# KiCad board geeks-ecu.kicad_pcb (continued)
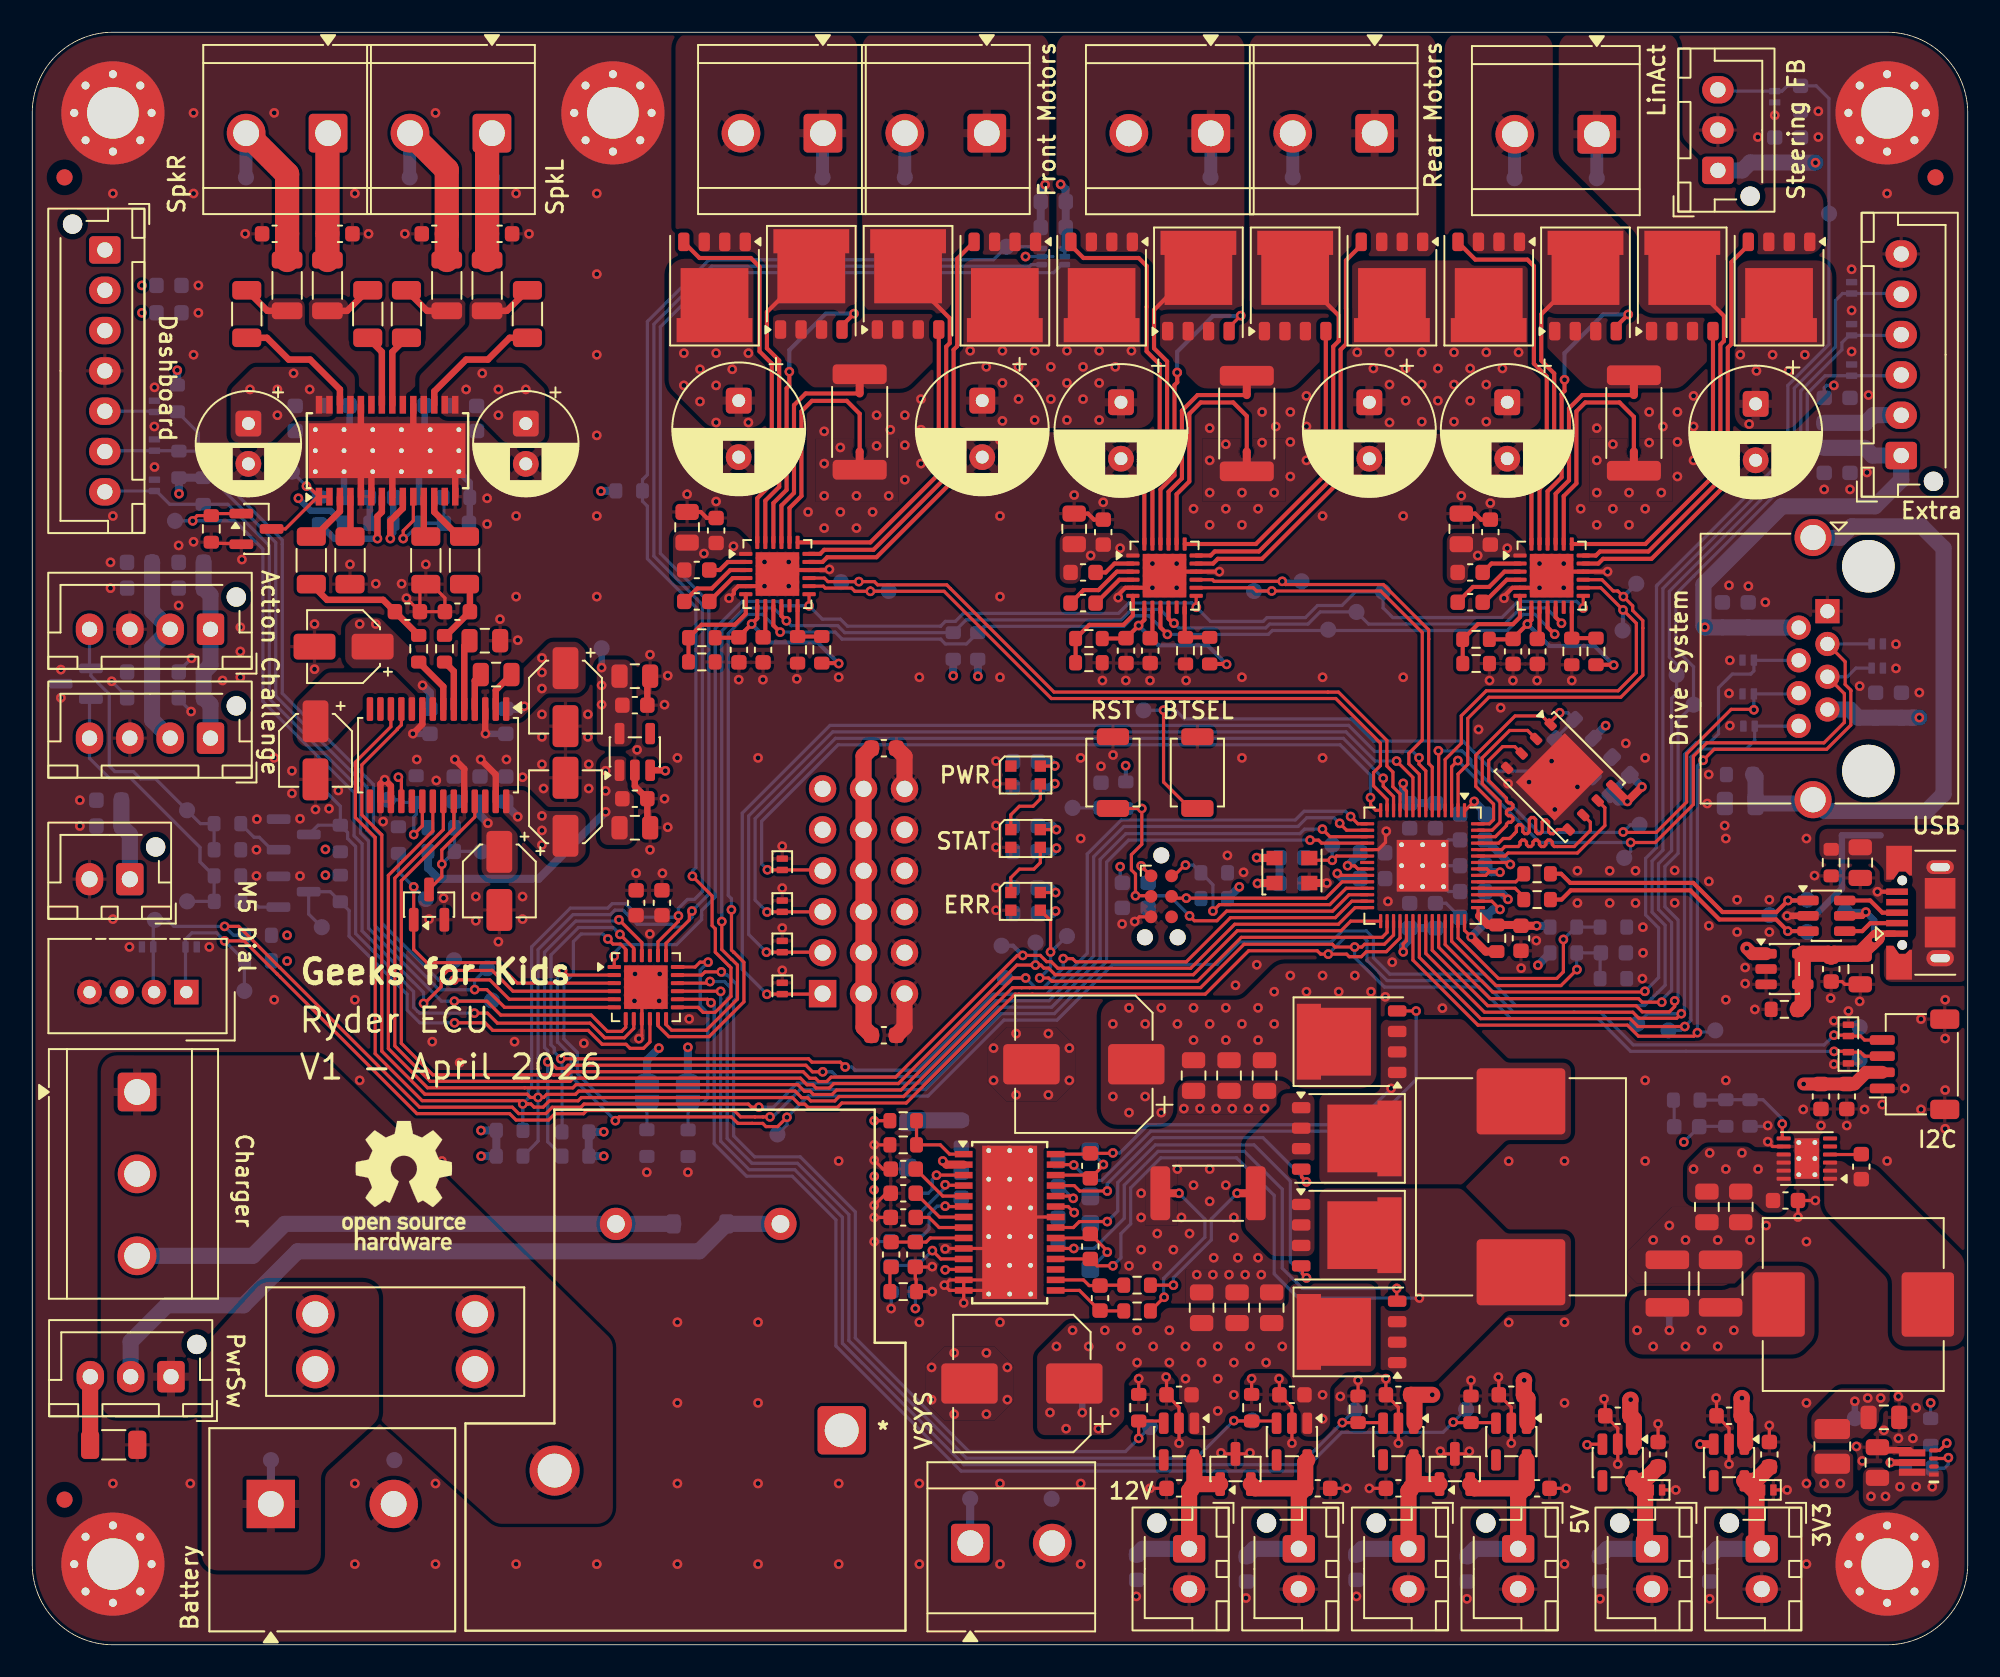
[diagram p0: board, top side]
## Routing (per net, layer and track width the routed paths; a pad name or vN(x,y) marks a point on that pad's centre or on a via; arc(x,y) is an arc through that point) (continued)
/DC Motor Controller - Steering/VCP: length 2.5
  Top w0.258: U801.2 90.48,67.05 C806.1
/DC Motor Controller - Steering/VREF: length 6.9
  Top w0.258: U801.6 92.24,63.73 91.8,63.29 89.63,63.29 R801.2 88.69,60.85
/DRIVE_ACTIVE_SW: length 46.5
  Top w0.2: v1(102.46,38.34) 99.55,38.34 99.06,38.83 89.8,38.83 86,42.63 U404.35
  Bottom w0.2: J507.8 109.5,56.97 D504.2 106.79,56.08 106.26,55.55 103.34,55.55 102.84,55.05 102.84,38.72 v1(102.46,38.34) 102.22,38.1 TP140.1
/DRIVE_PWM_STEERING: length 41.5
  Top w0.2: v1(88.39,54.83) 88,54.45 U404.3 ; J507.5 112.35,58.98 112.35,57.2 111.08,55.93 103.82,55.93 102.99,55.1 102.99,52.11 100.63,49.75 v1(99.1,49.75)
  Bottom w0.2: TP138.1 99.1,49.2 v1(99.1,49.75) 93.47,49.75 v1(88.39,54.83) ; D510.2 113.07,60.57 112.53,60.03 J507.5
/DRIVE_PWM_THROTTLE: length 35.5
  Top w0.2: v1(87.18,55.44) 87.18,55.44 87.18,55.29 87.2,55.28 U404.5 ; v1(106.74,57.98) 106.71,58.01 105.33,58.01 102.57,55.25 102.57,52.26 100.69,50.38 98.66,50.38 v1(98.63,50.4)
  Bottom w0.2: TP139.1 99.08,50.85 v1(98.63,50.4) 98.61,50.38 93.41,50.38 89.19,54.59 89.19,54.88 88.63,55.44 87.29,55.44 87.28,55.44 v1(87.18,55.44) ; J507.6 109.47,58.97 D507.2 v1(106.74,57.98)
/DRIVE_SOUND_A: length 58.7
  Top w0.2: J507.3 112.4,60.96 112.4,59.55 112.75,59.2 112.75,59.15 112.75,59.15 112.75,57.03 111.25,55.53 104.27,55.53 v1(103.59,54.85) ; U404.34 85.6,42.46 89.63,38.43 98.9,38.43 99.59,37.74 103.02,37.74 v1(103.24,37.96)
  Bottom w0.2: D515.2 111.3,62.07 J507.3 ; TP137.1 104.25,38 103.28,38 v1(103.24,37.96) 103.24,54.5 v1(103.59,54.85)
/DRIVE_SOUND_B: length 50.4
  Top w0.2: U404.36 86.4,42.87 90.04,39.23 99.23,39.23 99.61,38.85 101.96,38.85 102.23,39.13 102.23,39.14 v1(102.24,39.13)
  Bottom w0.2: J507.4 106.76,61.05 D513.2 106.74,60.39 106.55,60.2 105.4,60.2 104.55,59.35 104.55,56.5 104,55.95 103.17,55.95 102.44,55.22 102.44,39.33 v1(102.24,39.13) 100.13,39.13 TP136.1
/FRONT_MOTOR_DIR: length 45.8
  Top w0.2: U404.11 84.8,52.77 84.36,53.21 84.36,54.12 83.99,54.49 83.99,55.41 83.99,55.41 83.99,56.08 80.99,59.08 80.32,59.08 63.35,59.08 56.93,65.5 56.93,65.5 56.7,65.73 52.41,65.73 52.21,65.93 v1(51.25,65.93) 49.33,65.93 49.11,66.15 48.16,66.15
  Bottom w0.2: v1(51.25,65.93) 50.18,65.93 TP109.1
/FRONT_MOTOR_OUT_A: length 26.6
  Top w0.258: U601.18 48.85,67.65 49.1,67.9 52.15,67.9 56.66,72.42 56.66,80.5 56.89,80.72 56.89,82.26 54.86,84.29 Q604.5
  Bottom w0.8: TP149.1 J107.2
/FRONT_MOTOR_OUT_B: length 21.1
  Top w0.258: Q602.5 47.19,84.29 45.55,82.65 45.55,80.4 46.31,79.64 46.31,71.81 45.45,70.95 U601.23
  Bottom w0.4: 49,93.72 J108.1
  Bottom w0.8: TP150.1 49,93.72
/FRONT_MOTOR_PWM: length 46.1
  Top w0.2: 52.17,65.33 56.53,65.33 63.18,58.68 80.82,58.68 83.59,55.91 83.59,54.52 83.16,54.09 83.16,53.26 84,52.42 U404.13 84,52.1 ; 52.17,65.33 v1(51.96,65.33) ; 52.17,65.33 51.97,65.53 51.97,65.34 v1(51.96,65.33) ; U601.14 49.05,65.65 49.17,65.53 50.8,65.53 51,65.33 v1(51.96,65.33)
  Bottom w0.2: v1(51.96,65.33) 51.98,65.35 TP117.1
/GPIO_EXPANDER_SPARE: length 141.1
  Top w0.2: v1(46.79,32.71) 46.21,32.13 45.49,32.13 45.29,32.33 44.63,32.33 44.63,32.33 43.75,32.33 43.35,32.73 36.38,32.73 v1(36.15,32.5) ; v1(32.88,41.83) 33.18,41.53 U405.2
  Bottom w0.2: D518.2 115.82,83.8 J509.5 ; D518.2 112.24,83.8 111.8,83.36 111.8,80.48 109.25,77.93 109.25,73.65 101.1,65.5 101.1,49.27 100.43,48.6 100.43,45.43 101.24,44.62 101.24,40.9 100.78,40.45 99.97,39.64 91.99,39.64 90.04,41.59 84.16,41.59 83.15,42.6 83.15,43.84 82.72,44.27 81.22,44.27 80.54,43.59 74.85,43.59 73.45,42.19 66.99,42.19 63.53,38.74 60.24,38.74 55.54,34.03 48.11,34.03 v1(46.79,32.71) 46.79,32.24 TP121.1 ; D518.2 112.65,83.8 ; v1(36.15,32.5) 33.4,35.25 33.4,36.56 32.59,37.37 32.56,37.37 32.56,41.51 v1(32.88,41.83)
/H/L: length 59.5
  Top w0.2: U405.7 36.79,38.29 36.54,38.04 35.66,38.04 34.65,39.05 29.04,39.05 28.18,39.91 v1(26.17,39.91)
  Bottom w0.2: TP124.1 26.21,39.95 v1(26.17,39.91) 25.37,39.91 20.85,44.43 20.85,49.84 20.35,50.33 20.35,53.02 14.7,58.67 14.7,68.15 12.12,70.72 R425.2 8.53,70.72 7.7,71.55 D512.2 4.55,71.55 J505.7
/I2C_SCL: length 224.2
  Top w0.2: U405.20 38.79,43.59 40.06,44.86 v1(40.06,45.2) ; v1(111.7,37.8) 112.55,37.8 D404.2 113.35,37.75 113.6,37.5 J403.4 ; v1(30.41,33.54) 30.41,33.54 30.72,33.54 30.91,33.54 31.11,33.34 31.68,33.34 32.07,33.73 33.85,33.73 34.05,33.93 47.13,33.93 47.54,33.53 47.9,33.53 48.1,33.32 49.92,33.32 50.19,33.6 54.19,33.6 60.94,40.35 61.17,40.35 72.73,40.35 75.42,43.04 79.67,43.04 79.88,42.83 v1(80.35,42.83) 81.49,42.83 81.65,42.67 82.4,42.67 82.71,42.98 83.95,42.98 84.8,43.83 U404.32 ; v1(30.41,33.54) 30.21,33.74 24.18,33.74 21.26,36.66 21.26,50.07 20.03,51.3 20.03,54.73 22.24,56.94 22.24,58.03 ; v1(30.41,33.54) 30.52,33.65
  Bottom w0.2: U406.1 61.93,85.59 61.83,85.49 42.13,85.49 38.54,81.9 38.54,67.51 41.55,64.51 41.55,46.71 41.05,46.22 40.62,46.22 40.06,45.66 v1(40.06,45.2) 40.06,45.12 40.06,45.12 37.64,45.12 36.86,45.9 36.85,45.9 36.79,45.96 35.96,45.96 35.68,45.68 33.36,45.68 30.96,43.28 30.96,36.56 30.96,36.56 30.96,35.73 30.96,35.73 30.96,34.59 30.76,34.39 30.76,33.89 v1(30.41,33.54) ; v1(111.7,37.8) 111.1,37.2 99.26,37.2 97.23,39.24 95.61,39.24 95.61,39.24 91.82,39.24 89.87,41.19 84,41.19 82.75,42.44 82.75,43.67 82.55,43.87 81.39,43.87 v1(80.35,42.83) ; v1(30.41,33.54) 30.41,31.91 R413.2 ; v1(30.41,33.54) 30.43,33.53
  Bottom w0.203: v1(111.7,37.8) 112.8,37.8 TP107.1
/I2C_SDA: length 222.9
  Top w0.2: v1(111.71,36.8) 111.71,36.79 111.72,36.8 112.55,36.8 D405.2 113.35,36.75 113.6,36.5 J403.3 ; v1(40.9,45.5) 40.74,45.34 40.74,44.95 39.29,43.5 U405.19 ; U901.11 22.88,57.04 22.64,56.79 22.64,56.77 20.43,54.57 20.43,51.47 21.67,50.23 21.67,36.81 24.34,34.14 30.69,34.14 30.89,33.94 31.71,33.94 31.9,34.14 33.68,34.14 33.88,34.34 47.3,34.34 47.71,33.93 48.06,33.93 48.26,33.73 49.76,33.73 50.03,34 54.02,34 60.78,40.75 61.34,40.75 61.34,40.75 61.84,40.75 61.84,40.75 72.44,40.75 75.13,43.44 80.61,43.44 80.78,43.27 v1(81.99,43.27) 82.43,43.27 82.6,43.44 83.83,43.44 84.4,44.01 U404.31
  Bottom w0.2: v1(111.71,36.8) 102.53,36.8 99.1,36.8 97.06,38.84 91.65,38.84 89.7,40.79 83.83,40.79 81.99,42.63 v1(81.99,43.27) ; R414.2 31.36,31.24 v1(31.36,33.94) 31.36,35.89 31.36,35.9 31.36,36.39 31.36,36.39 31.36,43.11 33.53,45.28 35.85,45.28 36.12,45.56 36.62,45.56 36.68,45.5 36.69,45.5 37.51,44.68 39.65,44.68 39.81,44.52 40.31,44.52 40.9,45.11 v1(40.9,45.5) 41.95,46.55 41.95,64.67 38.94,67.68 38.94,81.73 42.3,85.09 63.33,85.09 63.83,85.59 U406.6
  Bottom w0.203: TP114.1 112.8,36.8 v1(111.71,36.8)
/IO Connectors/TRIG_IN1: length 18.2
  Bottom w0.2: TP501.1 11.28,46.1 R505.1 11.27,47.68 10.4,48.55 10.4,49.45 6.1,53.75 4.78,53.75 3.55,54.97 J501.4 3.55,58.56 D502.2
/IO Connectors/TRIG_IN2: length 18.6
  Bottom w0.2: R506.1 11.27,49.31 11.27,50.93 ; 11.27,50.93 10.43,50.93 TP502.1 7.65,53.7 6.72,53.7 6.27,54.15 5.13,54.15 4.78,54.5 4.78,58.95 3.64,60.09 D502.1 3.55,60.64 J502.4 ; 11.27,50.93 11.25,50.94
/Low Voltage Power Converters/BST_5V0: length 1.9
  Top w0.2: U301.4 113.38,30.4 C305.1
/Low Voltage Power Converters/FB_3V3: length 3.9
  Top w0.2: U302.3 118.75,11.55 v1(118.8,11.6)
  Bottom w0.2: R301.2 117.7,11.05 R302.1 118.55,10.95 118.8,11.2 v1(118.8,11.6)
/Low Voltage Power Converters/FB_5V0: length 6.8
  Top w0.2: v1(108.5,32.3) 108.5,31.49 U301.7
  Bottom w0.2: v1(108.5,32.3) 108.5,32.6 107.3,33.8 R304.1 R303.2 104.98,33.78 R305.1
/Low Voltage Power Converters/SW_3V3: length 6.1
  Top w0.4: U302.6 v1(115.2,11.3)
  In2.Cu w0.8: v1(115.2,11.3) 115.2,11.14 114.51,10.45 113.97,10.45 113.73,10.2 113.3,10.2 113.1,10 v1(112.1,10)
  In2.Cu w1: v1(111.1,10) v1(112.1,10)
/LS_A_CTRL: length 74.9
  Top w0.2: U202.3 90.71,13.78 R213.1 88.12,13.78 v1(88.1,13.8) ; v1(42.08,39.82) 41.87,40.03 U405.14
  Bottom w0.2: TP101.1 v1(88.1,13.8) 87.47,13.17 81.19,13.17 78.79,10.77 57.59,10.77 49.83,18.53 49.83,26.34 47.11,29.06 44.29,29.06 42.28,31.06 42.28,39.62 42.09,39.81 v1(42.08,39.82)
/LS_B_CTRL: length 68.1
  Top w0.2: v1(81.22,13.78) R214.1 83.71,13.78 U203.3 ; U405.15 42.5,40.53 42.51,40.52 v1(42.68,40.52)
  Bottom w0.2: TP103.1 v1(81.22,13.78) 78.62,11.17 57.76,11.17 50.23,18.7 50.23,26.51 47.28,29.46 44.45,29.46 42.68,31.23 42.68,39.57 42.68,39.57 42.68,40.06 42.68,40.07 42.68,40.35 42.68,40.35 v1(42.68,40.52)
/LS_C_CTRL: length 62
  Top w0.2: U405.16 41.92,41.03 v1(42.02,41.13) ; v1(74.5,13.9) 74.53,13.88 R215.1 77.01,13.88 U204.3
  Bottom w0.2: TP102.1 v1(74.5,13.9) 72.17,11.57 57.92,11.57 50.63,18.86 50.63,26.68 47.45,29.86 44.62,29.86 43.08,31.4 43.08,39.4 43.08,39.4 43.08,40.07 43.28,40.27 43.28,40.77 42.93,41.12 42.91,41.12 42.92,41.13 v1(42.02,41.13)
/LS_D_CTRL: length 55.8
  Top w0.2: U405.17 41.51,41.53 41.71,41.73 v1(42.72,41.73) ; U205.3 70.01,13.88 R216.1 v1(68.6,12.8)
  Bottom w0.2: v1(42.72,41.73) 42.89,41.73 42.69,41.53 43.09,41.53 43.1,41.52 43.68,40.94 43.68,40.1 43.48,39.91 43.48,39.23 43.48,31.56 44.78,30.26 47.61,30.26 51.03,26.84 51.03,19.03 58.08,11.98 67.78,11.98 v1(68.6,12.8) TP104.1
/M5_SCL: length 96.4
  Top w0.2: v1(45.74,32.73) 45.74,32.7 45.7,32.73 45.3,32.73 45.3,32.73 44.8,32.73 44.8,32.73 43.91,32.73 43.52,33.13 34.38,33.13 34.18,32.93 32.4,32.93 32.01,32.54 29.99,32.54 29.6,32.94 23.85,32.94 15.18,41.6 15.18,41.6 13.13,43.65 v1(11.93,43.65) ; U404.18 79.94,49.71 79.75,49.9 v1(79.22,49.9)
  Bottom w0.2: 13.18,42.4 v1(11.93,43.65) 11.43,44.15 9.9,44.15 9.5,43.75 D503.2 9.5,40.53 J503.1 ; TP130.1 13.15,42.39 R416.2 ; v1(45.74,32.73) 45.91,32.73 47.18,34 47.18,34.01 47.6,34.43 55.37,34.43 60.08,39.14 63.37,39.14 66.61,42.38 66.61,48.54 67.97,49.9 v1(79.22,49.9)
/M5_SDA: length 97.5
  Top w0.2: v1(79.99,50.58) 80.46,50.11 U404.17 ; v1(11.93,44.55) 12.8,44.55 15.15,42.2 15.15,42.2 15.35,42 15.35,42 24.01,33.34 29.76,33.34 30.16,32.94 31.84,32.94 32.24,33.33 34.01,33.33 34.21,33.53 44.4,33.53 44.6,33.33 v1(45.05,33.33)
  Bottom w0.2: v1(79.99,50.58) 78.88,50.58 78.6,50.3 67.8,50.3 66.21,48.71 66.21,42.55 63.2,39.54 59.91,39.54 55.2,34.83 47.43,34.83 46.78,34.18 46.78,34.17 45.95,33.33 v1(45.05,33.33) ; R415.2 12.48,44 v1(11.93,44.55) 8.78,44.55 8.38,44.95 TP129.1 7.5,44.85 D501.2 ; D501.2 7.55,43.22 ; D501.2 7.5,40.53 J503.2
/MCU/12MHz_OUT: length 4.7
  Top w0.2: 79.18,48.79 79.31,48.65 v1(80.6,48.65) 80.86,48.91 U404.20
  Bottom w0.2: v1(80.6,48.65) TP401.1
/MCU/ADC_AVDD: length 5.2
  Top w0.2: U404.43 89.64,45.26 89.7,45.2
  Top w0.5: 89.7,45.2 90.26,44.64 R410.1 92.25,44.64 C412.2 v1(93.27,44.59)
  Bottom w0.5: v1(93.27,44.59) 93.28,44.58 94.04,44.58 R411.1
/MCU/BATT_MON: length 14.7
  Top w0.2: U404.40 88,43.63 90.75,40.88 94.78,40.88 v1(95.77,41.87)
  Bottom w0.2: v1(95.77,41.87) 95.75,41.88 R418.2 C429.1 97.2,42.86 R419.1
/MCU/BOOTSEL: length 35.8
  Top w0.2: v1(70.14,57.96) 70.14,53.5 71.78,51.86 SW401.2
  Bottom w0.2: R401.2 94.75,54.18 90.57,54.18 88.71,56.04 83.16,56.04 81.78,57.41 71.43,57.41 70.88,57.96 v1(70.14,57.96) 70.13,57.95 TP404.1
/MCU/LED_DIN: length 29.7
  Top w0.2: U404.30 84,44.18 83.69,43.87 74.96,43.87 72.24,41.15 63.25,41.15 63.24,41.16 63.2,41.16 63.01,41.35 v1(62.46,41.35) ; D401.3 63.13,44.92 v1(63.13,42.96)
  Bottom w0.2: v1(62.46,41.35) 63.13,42.02 v1(63.13,42.96) 63.16,42.96 TP402.1
/MCU/LED_DIN1: length 4.1
  Top w0.2: D401.1 60.67,47.57 61.2,48.1 62.1,48.1 62.5,48.5 D402.3
/MCU/LED_DIN2: length 4.1
  Top w0.2: D402.1 60.67,51.47 61.2,52 62.05,52 62.5,52.45 D403.3
/MCU/QSPI_SCLK: length 10.1
  Top w0.2: U401.6 96.6,51.01 96.6,50.5 95.6,49.5 94.36,49.5 94.24,49.62 94.24,49.78 94.12,49.9 93.96,49.9 93.84,49.78 93.84,49.62 93.72,49.5 93.56,49.5 93.44,49.62 93.44,49.78 93.32,49.9 93.16,49.9 93.04,49.78 93.04,49.62 92.92,49.5 92.76,49.5 92.64,49.62 92.64,49.78 92.52,49.9 92.36,49.9 92.24,49.78 92.24,49.62 92.12,49.5 91.3,49.5 91.11,49.31 U404.52
/MCU/QSPI_SD0: length 9.9
  Top w0.2: U404.53 90.91,49.71 91.2,50 91.6,50 91.89,50.29 91.89,50.3 92.01,50.42 92.01,50.73 92.13,50.85 92.29,50.85 92.41,50.73 92.41,50.42 92.53,50.3 92.69,50.3 92.81,50.42 92.81,51.18 92.93,51.3 93.09,51.3 93.21,51.18 93.21,50.42 93.33,50.3 93.49,50.3 93.61,50.42 93.61,51.03 93.73,51.15 93.89,51.15 94.01,51.03 94.01,50.42 94.13,50.3 94.3,50.3 94.3,50.3 94.56,50.56 U401.5
/MCU/QSPI_SD1: length 10.3
  Top w0.2: U401.2 92.71,56.7 91.6,56.7 89.9,55 89.9,53.4 91,52.3 91,51 90.51,50.51 U404.55
/MCU/QSPI_SD2: length 10.2
  Top w0.2: U404.54 90.71,50.11 91.4,50.8 91.4,50.89 91.52,51.01 91.68,51.01 91.8,51.13 91.8,51.29 91.68,51.41 91.52,51.41 91.4,51.53 91.4,51.69 91.52,51.81 91.68,51.81 91.8,51.93 91.8,52.09 91.68,52.21 91.52,52.21 91.4,52.33 91.4,52.5 90.3,53.6 90.3,54.83 91.17,55.7 91.91,55.7 U401.3
/MCU/QSPI_SD3: length 10.4
  Top w0.2: U404.51 91.31,48.91 91.5,49.1 95.8,49.1 97.5,50.8 97.5,51.91 U401.7
/MCU/REVISION: length 13.4
  Top w0.2: v1(94.93,43.74) 94.93,41.73 94.52,41.32 90.9,41.32 88.4,43.82 U404.41
  Bottom w0.2: R412.1 R411.2 95.7,44.51 v1(94.93,43.74)
/MCU/SWCLK: length 13.5
  Top w0.2: U404.24 81.21,47.31 80.2,46.3 v1(71.55,46.3) 70.75,46.3 J402.4
  Bottom w0.2: R405.2 72.43,46.3 v1(71.55,46.3)
/MCU/SWDIO: length 15.1
  Top w0.2: v1(73.2,45.5) 73.6,45.9 80.45,45.9 81.46,46.91 U404.25 ; J402.2 70.78,47.68 71.45,48.35 v1(71.5,48.35)
  Bottom w0.2: v1(71.5,48.35) 71.98,48.35 R407.1 73.2,47.13 v1(73.2,45.5)
/MCU/USB_CONN_D+: length 3.6
  Top w0.258: U402.6 113.95,46.16 114.71,45.4 115.62,45.4
/MCU/USB_CONN_D-: length 3.4
  Top w0.258: 115.62,44.75 113.96,44.75 113.46,44.25 U402.4
/MCU/USB_CONN_VBUS: length 15.5
  Top w0.4: v1(113.68,45.44) 113.45,45.21 U402.5 ; 115.44,44.1 114.6,44.1 114,43.5
  Top w1: 114,43.5 114.35,43.85 114.33,43.85 C409.2 111.71,42.85 C410.1 111.36,42.85 U403.5 U403.4 109.77,39.72 R406.1
  Bottom w0.4: TP407.1 112.41,45.44 v1(113.68,45.44) 114.2,44.92 v1(114.2,43.7)
/MCU/USB_D+: length 18.5
  Top w0.2: 109,46.16 108.95,46.16
  Top w0.258: R408.2 94.79,47.81 95.35,47.25 102.98,47.25 104.79,45.44 108.14,45.44 v1(108.86,46.16) U402.1
  Bottom w0.258: TP405.1 110,46.16 v1(108.86,46.16)
/MCU/USB_D-: length 18.5
  Top w0.2: v1(108.85,44.25) 108.82,44.28
  Top w0.258: R409.2 94.81,46.21 95.39,46.79 102.79,46.79 104.6,44.98 108.12,44.98 108.82,44.28 ; v1(108.85,44.25) U402.3
  Bottom w0.258: v1(108.85,44.25) 110,44.25 TP406.1
/MCU/USB_RP2040_D+: length 3
  Top w0.2: U404.47 91.98,47.31 R408.1
/MCU/USB_RP2040_D-: length 3.2
  Top w0.2: R409.1 92.48,46.38 91.94,46.91 U404.46
/MCU/~{GPIO_EXPANDER_INT}: length 83.3
  Top w0.2: v1(49.01,35.53) 48.37,35.53 47.96,35.94 33.22,35.94 33.02,35.74 32.52,35.74 32.17,36.09 32.17,36.14 v1(31.96,36.14) ; U405.22 37.79,43.54 36.38,44.96 v1(36.37,44.96) ; v1(81.06,50.94) 81.49,50.51 U404.16
  Bottom w0.2: v1(36.37,44.96) 36.29,44.88 33.69,44.88 31.76,42.95 31.76,37.04 31.96,36.84 v1(31.96,36.14) 31.96,31.19 R417.2 ; v1(49.01,35.53) 49.58,35.53 49.88,35.23 55.04,35.23 59.74,39.94 63.04,39.94 65.81,42.71 65.81,48.87 67.68,50.75 78.48,50.75 79.02,51.29 80.71,51.29 v1(81.06,50.94)
/MCU/~{GPIO_EXPANDER_RST}: length 79
  Top w0.2: v1(36.44,44.06) 37.29,43.2 U405.23 ; v1(81.74,51.36) 82.19,50.91 U404.15 ; v1(50.4,35.83) 50.1,36.13 48.34,36.13 48.13,36.34 v1(32.77,36.34)
  Bottom w0.2: v1(50.4,35.83) 50.82,35.83 51.02,35.63 54.87,35.63 59.58,40.34 62.87,40.34 65.41,42.88 65.41,49.04 67.52,51.15 78.31,51.15 78.85,51.69 81.41,51.69 v1(81.74,51.36) ; R421.2 32.85,36.26 v1(32.77,36.34) 32.36,36.75 32.36,37.01 32.16,37.21 32.16,42.78 33.86,44.48 36.01,44.48 36.21,44.28 36.21,44.28 v1(36.44,44.06)
/MCU/~{QSPI_SS}: length 15.1
  Top w0.2: v1(94.7,57.8) 94.14,57.24 U401.1 93.61,57.6 91.93,57.6 89.5,55.17 89.5,53.23 90.6,52.13 90.6,51.17 90.35,50.91 U404.56
  Bottom w0.2: R401.1 R403.2 95.2,57.8 v1(94.7,57.8)
/MCU/~{RESET}: length 28.5
  Top w0.2: U404.26 81.64,46.51 80.62,45.5 74.05,45.5 73.45,44.9 72.05,44.9 v1(71.75,45.2) ; SW402.2 68.79,51.86 v1(68.79,51.86) 68.79,49.64 68.15,49 68.15,48.05 68.4,47.8 v1(68.4,46.45) 69.33,46.45 J402.3
  Bottom w0.2: C408.1 66.25,51.9 TP403.1 ; v1(71.75,45.2) 70.5,46.45 v1(68.4,46.45)
  Bottom w0.258: C408.1 66.31,51.86 R404.2 68.79,51.86 v1(68.79,51.86)
/MCU/~{TEMP_ALRT}: length 74.7
  Top w0.2: U405.13 41.28,39.53 41.6,39.21 42.33,39.21 43.32,40.21 43.32,41.99 43.21,42.1 43.2,42.1 42.35,42.95 42.35,44.4 42.15,44.6 42.15,46.44 v1(40.93,47.66)
  Bottom w0.2: U406.3 62.01,86.59 61.9,86.7 TP409.1 59.59,85.89 41.97,85.89 38.14,82.06 38.14,72.56 37.84,72.25 37.84,70.92 38.14,70.61 38.14,67.35 41.15,64.34 41.15,48.19 40.93,47.98 v1(40.93,47.66)
/REAR_MOTOR_DIR: length 28.2
  Top w0.2: U701.15 73.17,66.05 73.27,65.95 v1(77.5,65.95) 77.7,65.75 83.77,65.75 86.58,62.94 86.58,62.37 86.58,62.37 86.58,54.65 86.8,54.43 U404.6
  Bottom w0.2: v1(77.5,65.95) TP111.1
/REAR_MOTOR_OUT_A: length 26.8
  Top w0.258: U701.18 73.06,67.55 73.31,67.8 76.05,67.8 80.66,72.41 80.66,80.51 81,80.85 81,82.43 79.24,84.19 Q704.5
  Bottom w0.8: J109.2 TP151.1
/REAR_MOTOR_OUT_B: length 21.3
  Top w0.258: Q702.5 70.97,84.19 69.55,82.78 69.55,80.4 70.36,79.59 70.36,72.71 69.45,71.8 U701.23
  Bottom w0.4: 73.07,91.02 TP152.1
  Bottom w0.8: J110.1 73.07,91.02
/REAR_MOTOR_PWM: length 28.2
  Top w0.2: U701.14 75.7,65.55 75.9,65.35 v1(76.85,65.35) 76.77,65.43 76.75,65.43 76.83,65.35 83.6,65.35 86.18,62.77 86.18,56.11 85.35,55.28 85.35,54.63 86,53.98 U404.8
  Bottom w0.2: TP119.1 v1(76.85,65.35)
/RELAY_GND: length 34.1
  Bottom w1: J102.3 13.67,24.12 15.65,26.1 K101.A2 D101.2
/REMOTE_PWM_CLOSE_OUT: length 53.8
  Top w0.2: U404.12 84.4,52.6 83.76,53.24 v1(83.76,53.74) ; v1(45.56,45.44) 45.57,45.45 D511.2 48.99,45.45 J506.7
  Bottom w0.2: v1(83.76,53.74) 81.28,56.21 49.79,56.21 44.82,51.24 44.82,46.18 v1(45.56,45.44) ; 48.99,45.45 J506.7
/REMOTE_PWM_EXTRA: length 49.8
  Top w0.2: J506.10 48.95,48.05 D514.2 45.59,48.05 v1(45.58,48.06) ; U404.14 83.29,51.75 82.97,52.07 82.97,52.54 v1(82.97,52.54)